# Allegro board sk_s7g2 rev3.0.brd
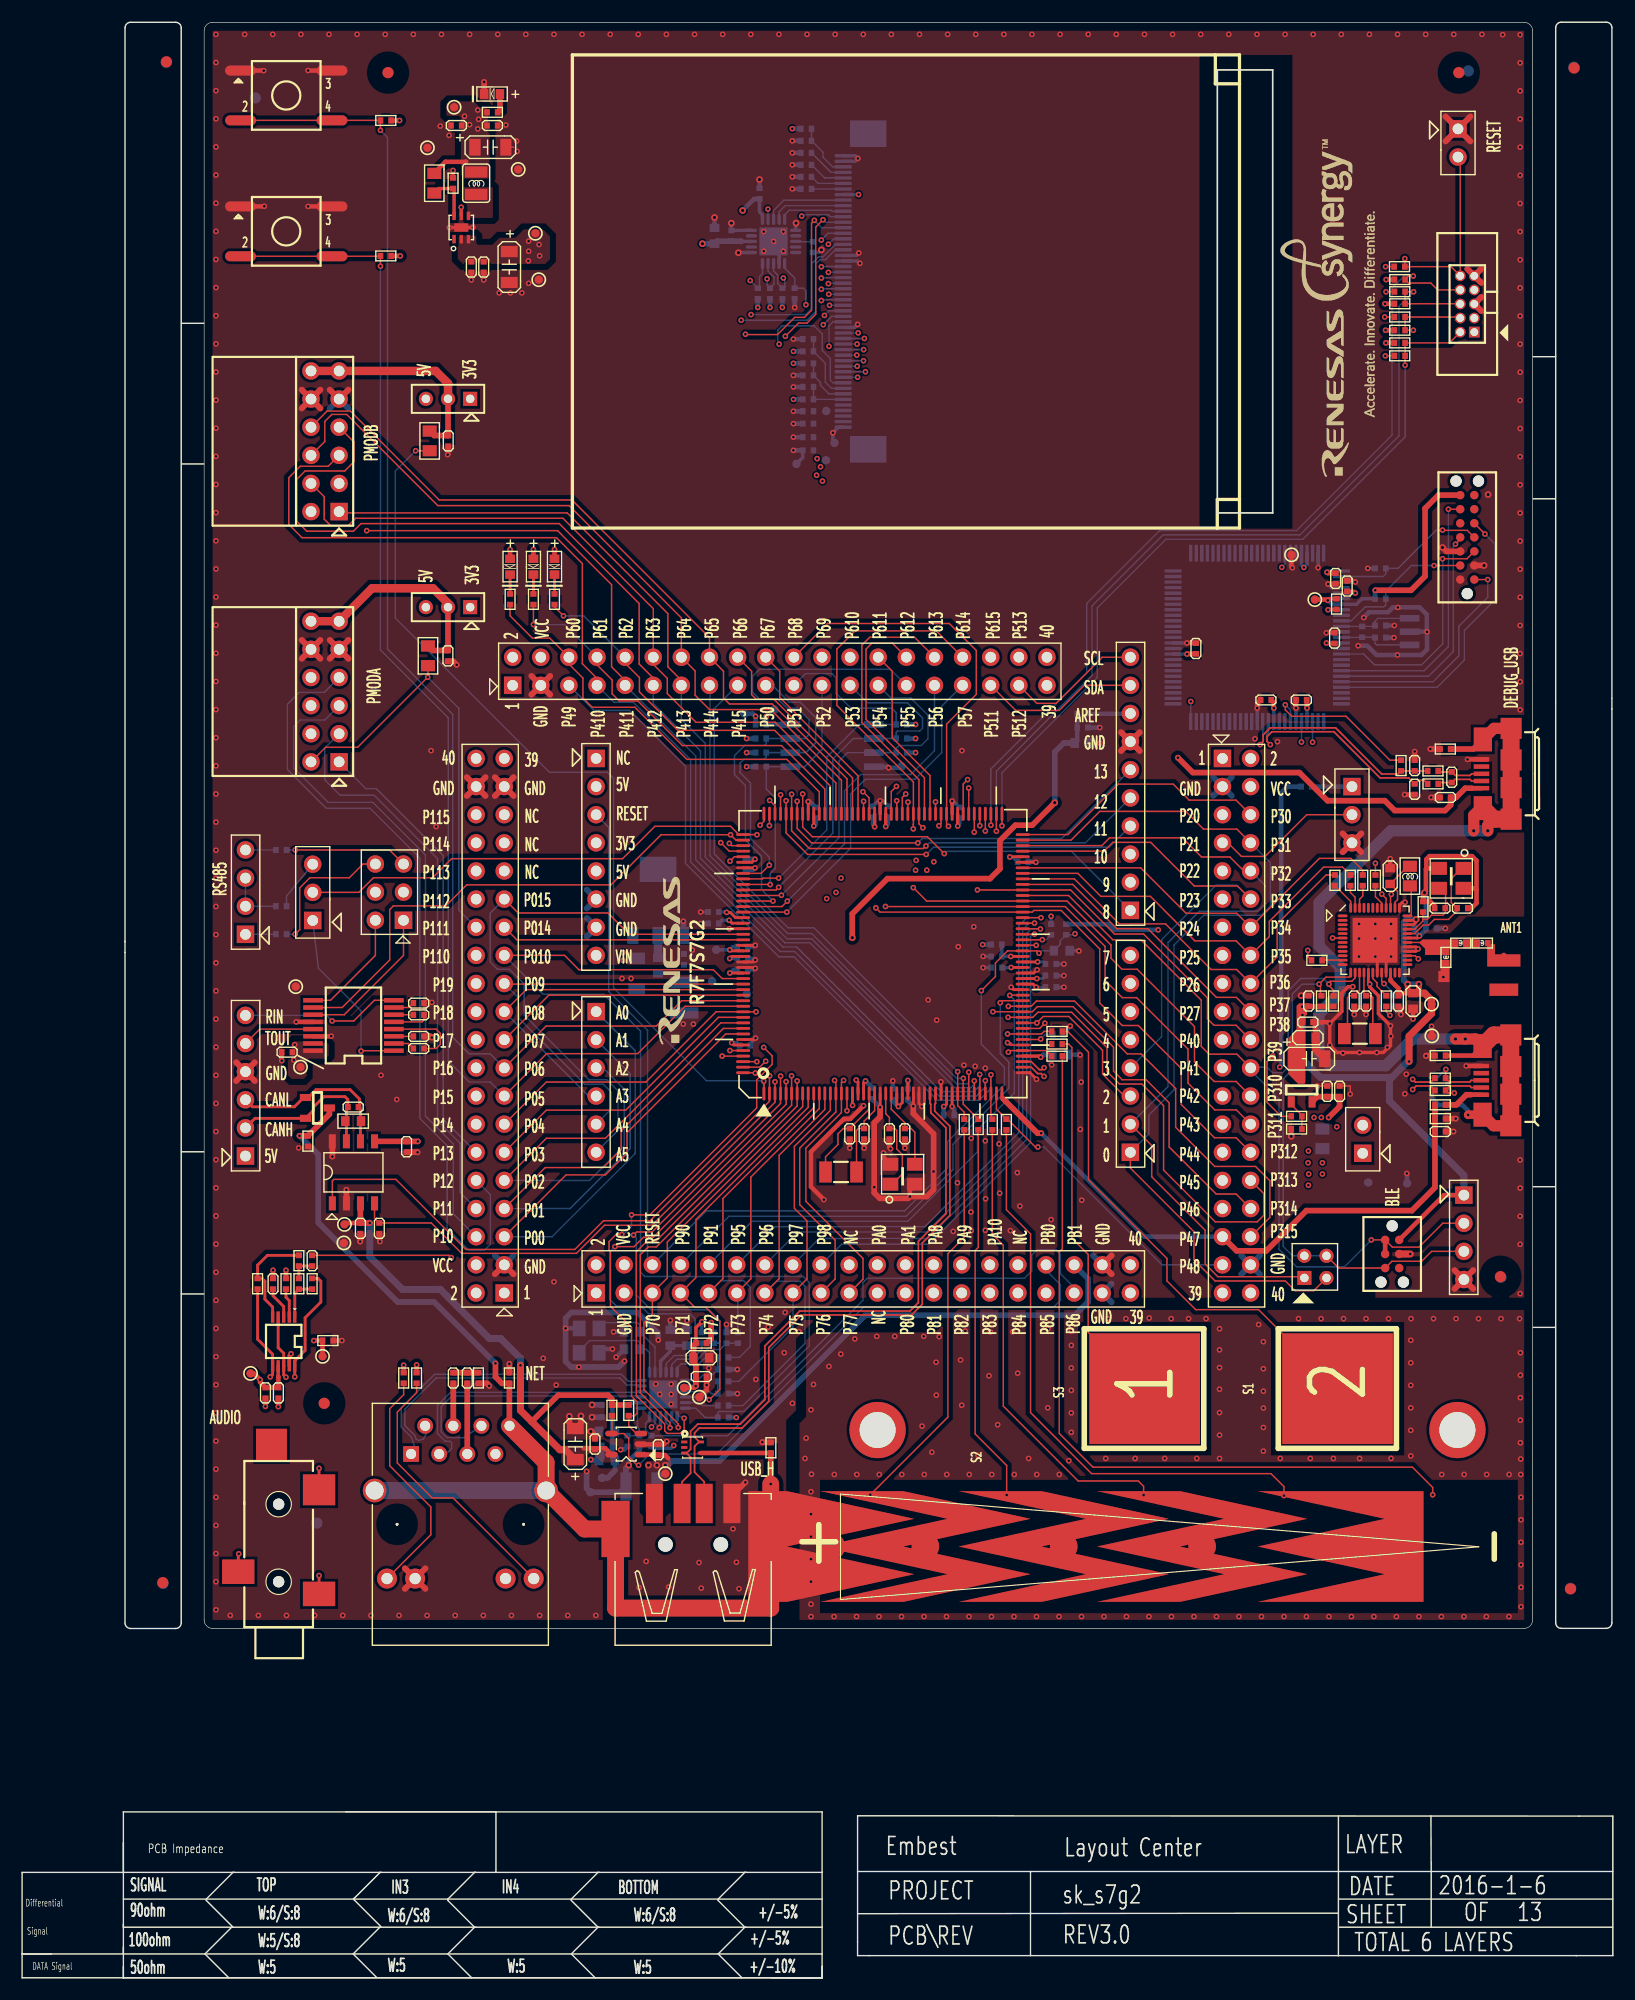
[diagram p0: board, top side]
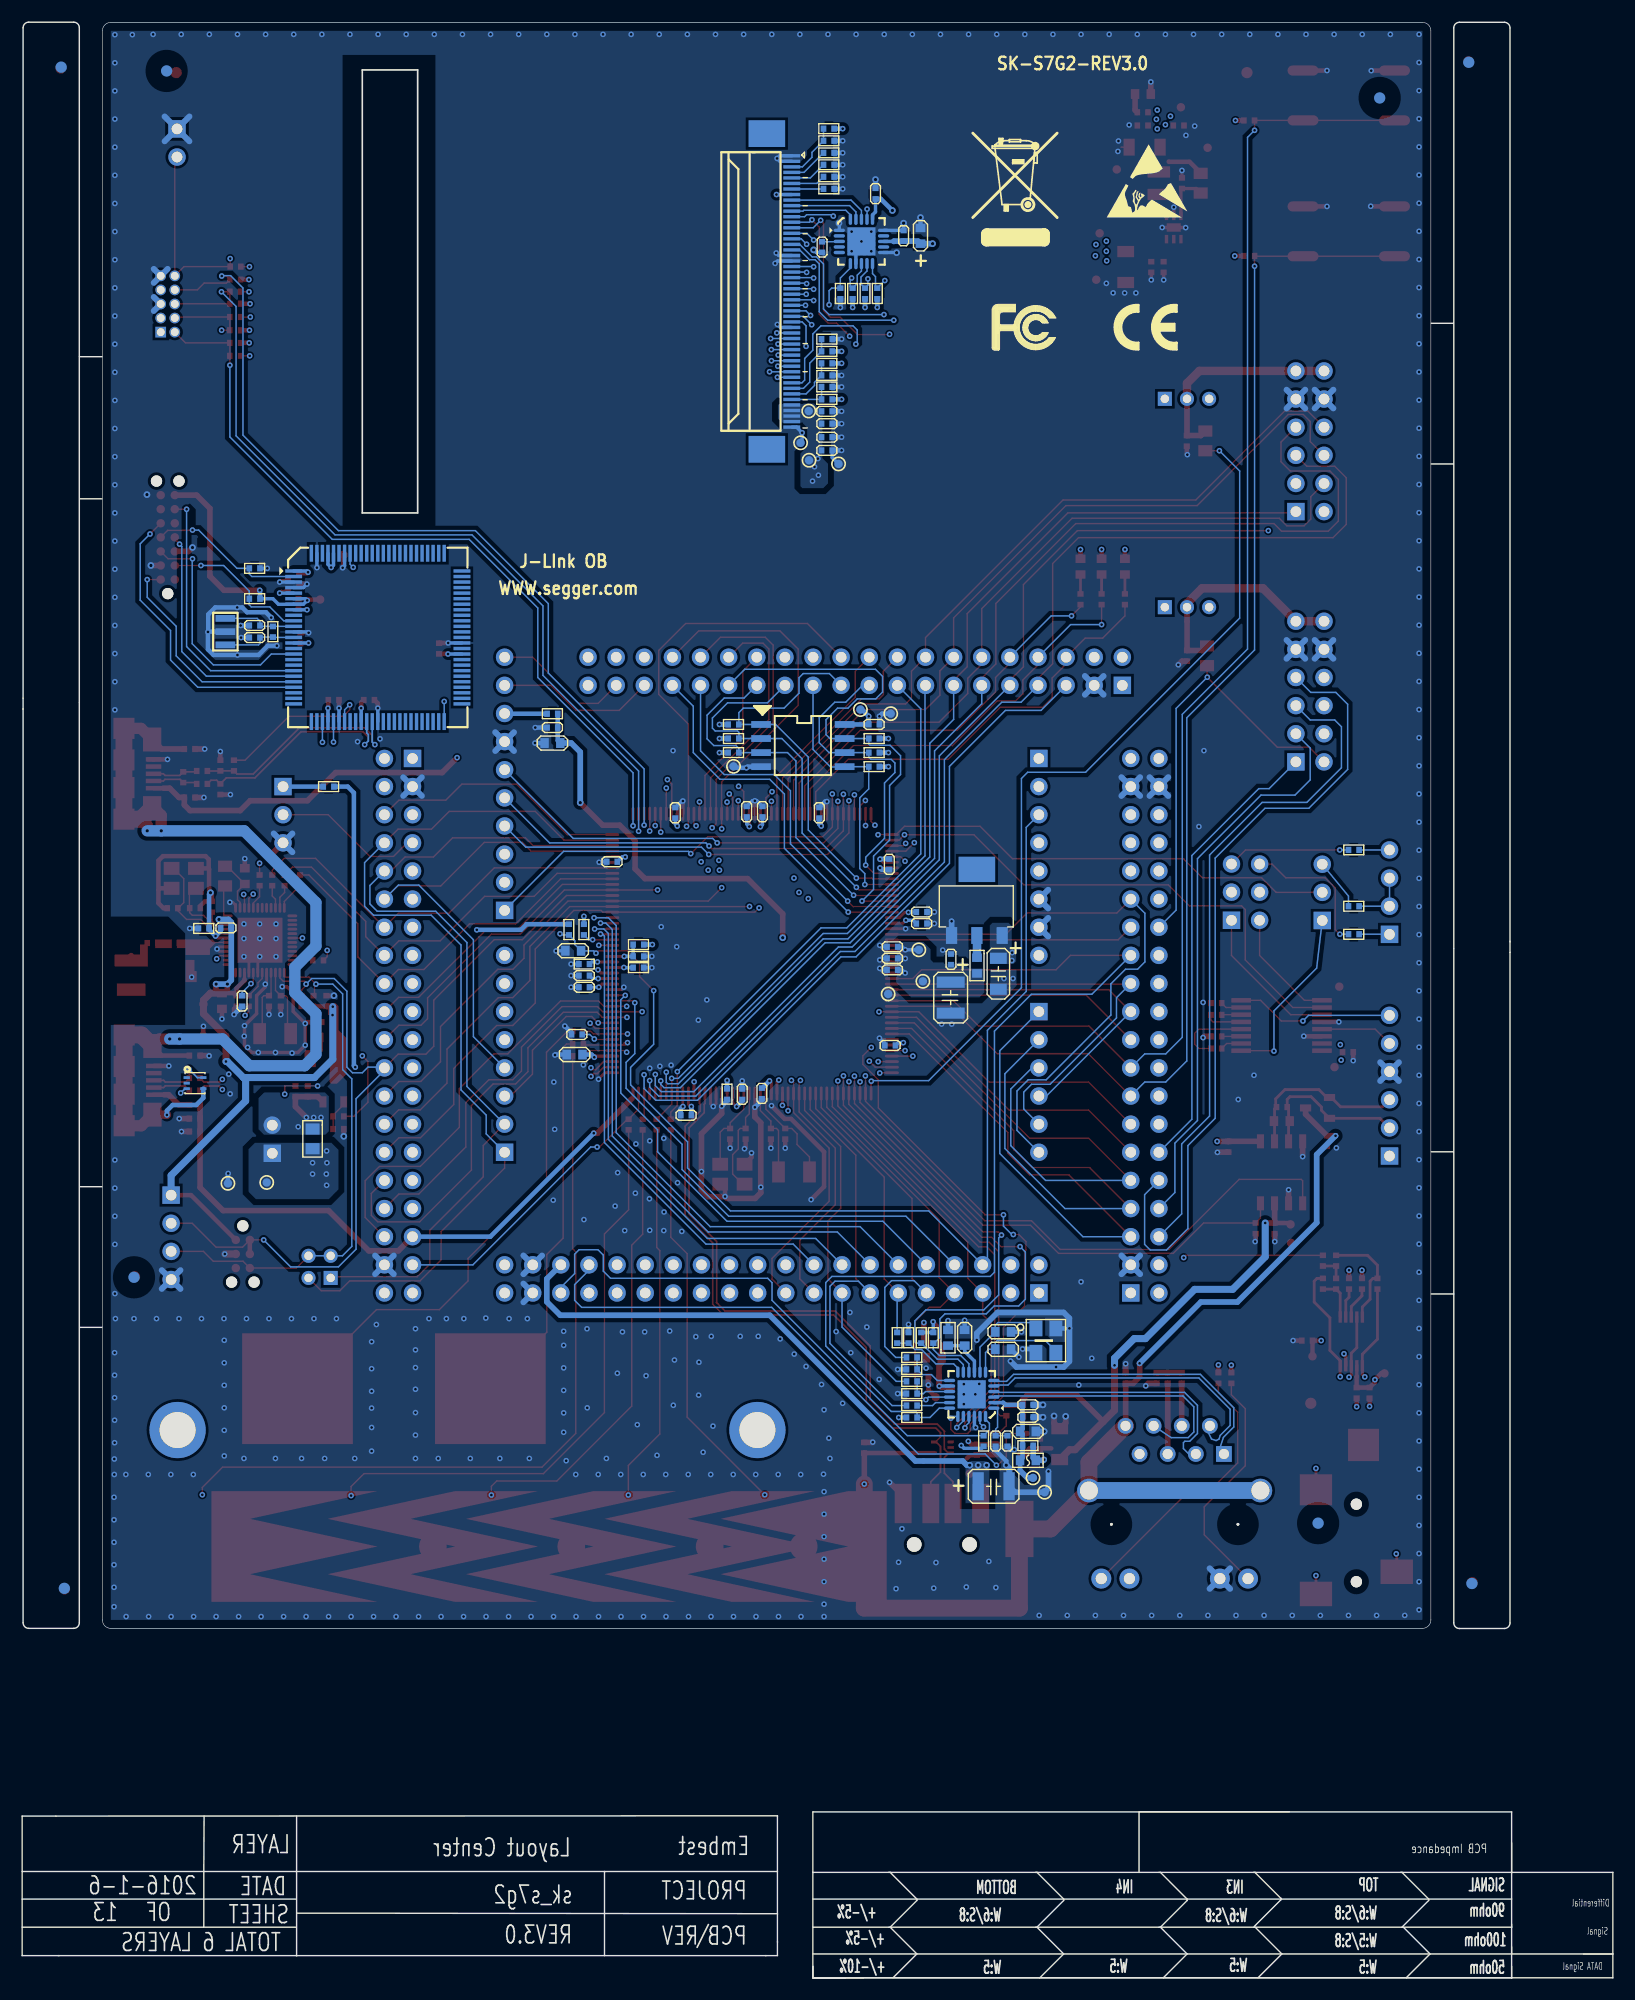
[diagram p1: board, bottom side, seen from below]

Outline 143.69 x 176.57 mm; copper layers: TOP, GND2, INT3, INT4, GND5, BOTTOM. Coordinates in mm from the lower left corner of the outline.
Outline path: 9.14,9.53 0,9.53 0,2.16 ; 9.14,9.53 9.14,12.19 ; 9.14,9.53 42.8,9.53 ; 0,2.16 2.67,2.16 ; 0,2.16 0,0 9.14,0 ; 0,2.16 9.14,2.16 ; 42.8,9.53 42.8,14.99 29.21,14.99 ; 42.8,9.53 72.26,9.53 ; 9.14,7.11 72.26,7.11 ; 9.14,4.83 9.14,4.57 72.26,4.57 ; 9.14,2.79 9.14,2.16 ; 9.14,2.16 72.26,2.16 ; 9.14,1.02 9.14,0 ; 9.14,0 9.14,14.99 72.26,14.99 72.26,0 ; 9.14,0 72.26,0 ; 9.14,0 72.26,0 ; 72.26,0 67.69,0 ; 72.26,0 72.26,1.02 72.26,0 ; 72.26,0 69.34,0 71.37,0 ; 9.29,93.52 9.29,176.05 arc(9.44,176.41) 9.8,176.56 13.86,176.56 arc(14.22,176.41) 14.37,176.05 14.37,92.96 ; 9.29,93.6 9.29,32.05 arc(9.44,31.69) 9.8,31.54 13.86,31.54 arc(14.22,31.69) 14.37,32.05 14.37,92.94 ; 14.37,61.75 16.4,61.75 ; 14.39,149.39 16.4,149.39 ; 14.39,136.69 16.4,136.69 ; 14.39,74.58 16.4,74.58 ; 18.67,0 16.51,2.16 18.92,4.57 19.05,4.57 16.64,6.98 16.64,7.11 19.05,9.53 19.18,9.53 ; 32.05,0 29.9,2.16 32.31,4.57 32.44,4.57 ; 29.97,7.19 29.97,7.06 32.38,4.65 ; 29.92,7.11 32.33,9.53 32.46,9.53 ; 40.87,4.57 38.46,6.98 38.46,7.11 40.87,9.53 41,9.53 ; 40.87,4.57 38.46,2.16 40.61,0 ; 40.87,4.57 41,4.57 ; 52.02,4.57 49.61,6.98 49.61,7.11 52.02,9.53 52.15,9.53 ; 52.02,4.57 49.61,2.16 51.77,0 ; 52.02,4.57 52.15,4.57 ; 65.28,4.57 62.87,6.98 62.87,7.11 65.28,9.53 65.41,9.53 ; 65.28,4.57 62.87,2.16 65.02,0 ; 65.28,4.57 65.41,4.57 ; 75.46,9.6 143.69,9.6 ; 75.46,5.79 118.85,5.84 ; 76.53,2.01 75.46,2.01 75.46,3.25 75.46,14.63 140.64,14.61 143.69,14.61 143.69,2.01 140.36,2.01 ; 91.08,9.6 91.08,2.01 ; 118.9,14.61 118.9,1.98 ; 118.92,7.11 143.69,7.11 ; 118.92,4.57 143.69,4.57 ; 127.25,14.63 127.28,9.6 127.28,4.6 ; 138.51,133.53 136.5,133.53 ; 138.51,71.43 136.5,71.43 ; 138.51,58.73 136.5,58.73 ; 138.52,146.37 136.49,146.37 ; 138.52,115.18 138.52,176.07 arc(138.67,176.42) 139.03,176.57 143.1,176.57 arc(143.45,176.42) 143.6,176.07 143.6,114.52 ; 138.52,115.15 138.52,32.06 arc(138.67,31.7) 139.03,31.55 143.1,31.55 arc(143.45,31.7) 143.6,32.06 143.6,114.59 ; 140.41,2.01 76.5,2.01 ; 16.44,175.79 16.44,32.32 arc(16.66,31.78) 17.2,31.55 135.68,31.55 arc(136.22,31.78) 136.44,32.32 136.44,175.79 arc(136.22,176.33) 135.68,176.55 17.2,176.55 arc(16.66,176.33) 16.44,175.79 ; 107.96,172.26 107.96,132.26 112.96,132.26 112.96,172.26 107.96,172.26

## Design rules (mm)
net group DIFFPAIR0: nets TXM TXP
net group DIFFPAIR1: nets RXM RXP
net group DIFFPAIR3: nets USBHS_N USBHS_P
net group DIFFPAIR4: nets N251288 N251332
net group DIFFPAIR5: nets USBF_N USBF_P
net group DIFFPAIR6: nets N268406 N268410
net group DIFFPAIR7: nets N268414 N268418

## Placement (name value [footprint] x y rotation side)
ANT1  ant2_rjc-11k09  [ANT2_RJC-11K09]  133.84 90.76 270 top
C1  c0402  [C0402]  76.82 105.29 270 bottom
C2  c0603  [C0603]  93.78 83.36 0 bottom
C3  c0402  [C0402]  78.24 105.29 90 bottom
C4  c0402  [C0402]  71.68 105.19 90 bottom
C5  c0402  [C0402]  62.44 95.19 180 bottom
C6  c0402  [C0402]  83.71 77.88 0 bottom
C7  c0402  [C0402]  90.4 100.77 0 bottom
C8  c0402  [C0402]  65.28 84.18 0 bottom
C9  c0402  [C0402]  65.36 100.54 270 bottom
C10  c0402  [C0402]  84.69 105.19 90 bottom
C11  c0402  [C0402]  78.64 79.78 90 bottom
C12  c0402  [C0402]  92.92 89.44 0 bottom
C13  c0402  [C0402]  62.44 96.23 0 bottom
C14  c0402  [C0402]  65.08 92.05 0 bottom
C15  c0402  [C0402]  65.08 93.09 0 bottom
C16  c0402  [C0402]  65.08 91.01 0 bottom
C17  c0402  [C0402]  92.92 90.49 0 bottom
C18  c0603  [C0603]  93.91 92.73 0 bottom
C19  c0402  [C0402]  78.34 76.21 270 top
C20  c0402  [C0402]  79.74 76.21 270 top
C21  c0402  [C0402]  76.87 79.85 270 bottom
C22  c0402  [C0402]  74.76 76.21 270 top
C23  c0402  [C0402]  76.05 76.21 270 top
C24  c0402  [C0402]  116.21 88.2 270 top
C25  c0603  [C0603]  123.58 99.47 90 top
C26  c0402  [C0402]  120.33 88.2 270 top
C27  c0402  [C0402]  121.39 88.2 270 top
C28  c0402  [C0402]  125.28 94.8 0 bottom
C29  c0402  [C0402]  123.82 88.2 270 bottom
C30  c0402  [C0402]  124.32 88.2 270 top
C31  c0603  [C0603]  125.64 88.2 270 top
C32  c0402  [C0402]  130.1 96.58 0 top
C33  c0402  [C0402]  128.07 96.58 180 top
C34  c0402  [C0402]  71 141.44 180 bottom
C35  c0402  [C0402]  71 140.32 180 bottom
C36  c0402  [C0402]  71 139.1 180 bottom
C37  c0402  [C0402]  71 137.91 180 bottom
C38  c0402  [C0402]  66.6 161.09 90 bottom
C39  c0402  [C0402]  71.43 156.27 270 bottom
C40  c0402  [C0402]  128.1 76.41 0 top
C43  c0402  [C0402]  66.73 113.17 180 bottom
C44  c0402  [C0402]  23.93 83.58 0 top
C45  c0402  [C0402]  35.82 83.91 0 top
C46  c0402  [C0402]  35.82 85 0 top
C47  c0402  [C0402]  35.82 86.95 180 top
C48  c0402  [C0402]  35.82 88.01 0 top
C49  c0402  [C0402]  34.73 75.04 270 top
C50  c0402  [C0402]  30.55 67.67 270 top
C51  c0603  [C0603]  52.84 49.34 180 bottom
C52  c0402  [C0402]  52.84 51.74 180 bottom
C53  c0402  [C0402]  52.84 50.62 180 bottom
C54  c0402  [C0402]  54.69 48.47 270 bottom
C55  c0402  [C0402]  55.75 48.47 270 bottom
C56  c0402  [C0402]  61.35 54.29 0 top
C57  c0603  [C0603]  61.35 55.99 0 top
C58  c0402  [C0402]  38.95 54.16 270 top
C59  c0603  [C0603]  58.55 57.79 90 bottom
C60  c0402  [C0402]  40.21 54.16 90 top
C61  c0603  [C0603]  55.07 58.33 180 bottom
C62  c0603  [C0603]  55.07 56.75 180 bottom
C63  c0402  [C0402]  93.58 85.17 0 bottom
C64  c0402  [C0402]  38.46 119.36 270 top
C65  c0402  [C0402]  38.49 138.77 270 top
C66  c0402  [C0402]  23.15 52.81 270 top
C67  c0402  [C0402]  21.98 52.81 270 top
C68  c0402  [C0402]  26.19 64.75 270 top
C69  c0402  [C0402]  22.66 62.67 270 top
C70  c0402  [C0402]  106.03 120.02 90 top
C71  c0402  [C0402]  118.65 126.35 270 top
C72  c0402  [C0402]  118.55 120.96 90 top
C73  c0402  [C0402]  112.35 115.37 180 top
C74  c0402  [C0402]  115.55 115.37 180 top
C75  c0402  [C0402]  129.13 108.4 90 top
C76  c0402  [C0402]  125.79 107.32 270 top
C77  c0402  [C0402]  125.79 109.46 90 top
C78  c0402  [C0402]  119.69 125.66 90 top
C79  c0402  [C0402]  128.56 106.57 180 top
C80  c0402  [C0402]  122.69 121.01 0 bottom
C81  c0402  [C0402]  122.69 122.1 0 bottom
C82  c0402  [C0402]  40.57 154.46 270 top
C83  c1206  [C1206]  44 154.46 270 top
C84  c0402  [C0402]  41.69 154.46 270 top
C86  c1206  [C1206]  42.3 165.28 0 top
C88  c0402  [C0402]  42.47 167.24 0 top
C89  c1210  [C1210]  59.82 88.5 270 bottom
C90  c1206  [C1206]  55.51 90.66 270 bottom
C91  c0402  [C0402]  59.79 91.95 90 bottom
C94  c0603  [C0603]  95.79 111.49 0 bottom
C95  c0402  [C0402]  95.79 112.88 0 bottom
C96  c0402  [C0402]  39.22 167.24 180 top
C99  c0402  [C0402]  32.26 67.67 270 top
C100  c0402  [C0402]  29.9 78.62 0 top
C101  c1206  [C1206]  49.97 48.19 90 top
C102  c0402  [C0402]  51.75 48.19 90 top
C103  c0402  [C0402]  57.46 47.68 90 top
C104  c1210  [C1210]  55.94 44.38 180 bottom
C105  c0402  [C0402]  116.13 86.29 0 top
C106  c0603  [C0603]  116.13 84.89 0 top
C107  c1206  [C1206]  116.26 82.99 0 top
C108  c0402  [C0402]  64.06 157.28 90 bottom
C109  c0603  [C0603]  62.54 157.28 90 bottom
C110  c0402  [C0402]  119 80.04 90 top
C111  c0402  [C0402]  117.89 80.04 90 top
D1  sot23_123  [SOT23_123]  26.68 78.54 270 top
FB2  f0603  [F0603]  52.84 46.72 0 bottom
J1  h3m  [H3M]  120.12 105.02 270 top
J2  h2m  [H2M]  129.7 165.67 270 top
J3  -  [FPC50_2P5]  74.17 152.26 180 bottom
J5  usbmicro5_6c  [USBMICRO5_6C]  135.92 81.03 90 top
J6  usbs4_4al  [USBS4_4AL]  60.61 39.13 0 top
J7  h6m  [H6M]  20.17 80.55 90 top
J8  h3m  [H3M]  26.25 98.01 90 top
J9  h2x3mz  [H2X3MZ]  33.18 98.03 90 top
J10  h4m  [H4M]  20.17 98.03 90 top
J11  rj45_13f-64gy_p12_4  [RJ45_13F-64GY_P12_4]  39.58 40.95 180 top
J12  h2x6lmz_f  [H2X6LMZ_F]  27.36 116.14 90 top
J13  h3p20  [H3P20]  38.47 123.76 90 top
J14  h2x6lmz_f  [H2X6LMZ_F]  27.36 138.73 90 top
J15  h3p20  [H3P20]  38.47 142.56 90 top
J16  audios4-2b180x60  [AUDIOS4-2B180X60]  23.17 32.26 90 top
J17  cons2x7_3j  [CONS2X7_3J]  130.54 128.79 90 top
J18  h2x5w52jz  [H2X5W52JZ]  130.54 151.13 90 top
J19  usbmicro5_6c  [USBMICRO5_6C]  135.94 108.71 90 top
J20  h2x20mz  [H2X20MZ]  42.28 85.97 90 top
J21  h2x20mz  [H2X20MZ]  109.7 85.97 270 top
J22  h2x20mz  [H2X20MZ]  68.44 117.97 0 top
J23  h2x20mz  [H2X20MZ]  75.98 63.11 0 top
J24  h10m  [H10M]  100.11 107.81 90 top
J25  h8m  [H8M]  51.85 101.21 270 top
J26  h6m  [H6M]  51.85 80.89 270 top
J27  h8m  [H8M]  100.11 83.43 90 top
J31  h2m  [H2M]  121.09 75.72 90 top
J32  h2x2p20z  [H2X2P20Z]  118.82 64.19 0 top
J33  h4m  [H4M]  130.23 66.86 270 top
J34  cons2x3_3j_a  [CONS2X3_3J_A]  123.75 64.09 270 top
L1  l0805  [L0805]  125.35 99.47 90 top
L2  l0402  [L0402]  129.95 93.43 0 top
L3  l0402  [L0402]  131.91 93.43 0 top
L4  l0402  [L0402]  128.61 92.13 270 top
L5  l1008  [L1008]  41.01 162.03 90 top
LED1  led0603  [LED0603]  44.07 127.41 270 top
LED2  led0603  [LED0603]  46.18 127.41 270 top
LED3  led0603  [LED0603]  48.09 127.41 270 top
LED4  led0603  [LED0603]  42.45 170.09 180 top
MTG1  -  [MHC50D30]  129.65 49.46 0 top
MTG2  -  [MHC50D30]  77.27 49.46 0 top
NOREF  -  []  129.65 49.46 0 top
NOREF#2  v*  [unnamed#2]  129.77 172.02 0 top
NOREF#3  v*  [unnamed#2]  140.19 172.43 90 top
NOREF#4  -  []  70.39 31.5 0 top
NOREF#5  -  []  77.27 49.46 0 top
NOREF#6  v*  [unnamed#2]  27.29 51.87 0 top
NOREF#7  -  []  136.43 31.55 90 top
NOREF#8  v*  [unnamed#2]  133.53 63.3 0 top
NOREF#9  v*  [unnamed#2]  12.71 35.68 270 top
NOREF#10  v*  [unnamed#2]  33.05 172.02 0 top
NOREF#11  v*  [unnamed#2]  13.04 172.99 90 top
NOREF#12  v*  [unnamed#2]  139.86 35.12 270 top
NOREF#13  -  []  8.6 33.68 0 top
NOREF#14  -  []  136.43 31.55 90 top
NOREF#15  v*  [unnamed#2]  26.62 41.05 180 bottom
NOREF#16  v*  [unnamed#2]  140.16 172.51 90 bottom
NOREF#17  v*  [unnamed#2]  130.64 172.17 180 bottom
NOREF#18  v*  [unnamed#2]  12.73 35.6 270 bottom
NOREF#19  -  []  45.73 158.93 180 bottom
NOREF#20  -  []  54.01 162.13 180 bottom
NOREF#21  -  []  46.82 148.65 180 bottom
NOREF#22  v*  [unnamed#2]  21.06 169.73 180 bottom
NOREF#23  v*  [unnamed#2]  133.58 63.25 180 bottom
NOREF#24  v*  [unnamed#2]  13.02 172.95 270 bottom
NOREF#25  v*  [unnamed#2]  139.88 35.17 90 bottom
Q1  sot23_123  [SOT23_123]  115.58 80.17 0 top
R1  r0402  [R0402]  116.01 107.55 0 bottom
R2  r0402  [R0402]  92.94 94.65 270 bottom
R3  r0402  [R0402]  88.02 93.29 0 bottom
R4  r0402  [R0402]  92.92 91.53 0 bottom
R5  r0402  [R0402]  88.02 92.22 180 bottom
R6  r0402  [R0402]  88.02 91.21 180 bottom
R7  r0402  [R0402]  94.3 94.65 270 bottom
R9  r0402  [R0402]  80.02 79.79 270 bottom
R10  r0402  [R0402]  118.58 99.09 90 top
R11  r0402  [R0402]  119.98 99.09 90 top
R12  r0402  [R0402]  121.1 99.09 90 top
R13  r0402  [R0402]  122.24 99.09 90 top
R14  r0402  [R0402]  116.95 91.87 0 top
R15  r0402  [R0402]  117.36 88.2 90 top
R16  r0402  [R0402]  118.46 88.2 90 top
R17  r0402  [R0402]  123.22 88.2 90 top
R18  r0402  [R0402]  70.82 164.77 180 bottom
R19  r0402  [R0402]  71 145.77 0 bottom
R20  r0402  [R0402]  71 142.52 0 bottom
R21  r0402  [R0402]  70.82 163.69 180 bottom
R22  r0402  [R0402]  70.82 166.96 0 bottom
R23  r0402  [R0402]  71 146.85 0 bottom
R24  r0402  [R0402]  70.82 162.61 180 bottom
R25  r0402  [R0402]  70.82 161.52 180 bottom
R26  r0402  [R0402]  70.82 165.86 180 bottom
R27  r0402  [R0402]  71 147.96 180 bottom
R28  r0402  [R0402]  71 144.68 180 bottom
R29  r0402  [R0402]  71 143.64 180 bottom
R30  r0402  [R0402]  67.55 152.08 90 bottom
R31  r0402  [R0402]  66.45 152.08 90 bottom
R32  r0402  [R0402]  68.67 152.08 90 bottom
R34  r0402  [R0402]  128.1 78.82 0 top
R35  r0402  [R0402]  128.1 80.12 0 top
R36  r0402  [R0402]  128.1 81.24 0 top
R37  r0402  [R0402]  128.1 77.58 0 top
R38  r0402  [R0402]  128.1 83.27 0 top
R41  r0402  [R0402]  67.64 47.86 270 top
R42  r0402  [R0402]  25.81 75.55 270 top
R43  r0402  [R0402]  23.4 94.23 180 bottom
R44  r0402  [R0402]  23.4 96.76 180 bottom
R45  r0402  [R0402]  23.4 101.84 180 bottom
R46  r0402  [R0402]  52.84 48.05 0 bottom
R47  r0402  [R0402]  61.35 57.31 180 top
R48  r0402  [R0402]  44.01 54.16 90 top
R49  r0402  [R0402]  41.22 54.16 90 top
R50  r0603  [R0603]  60.05 57.79 90 bottom
R51  r0402  [R0402]  35.63 54.16 270 top
R52  r0402  [R0402]  34.46 54.16 270 top
R53  r0402  [R0402]  63.33 50.59 180 bottom
R54  r0402  [R0402]  56.84 48.47 90 bottom
R55  r0402  [R0402]  62.48 57.79 270 bottom
R56  r0402  [R0402]  61.38 57.79 270 bottom
R57  r0402  [R0402]  63.33 52.75 0 bottom
R58  r0402  [R0402]  63.33 54.93 0 bottom
R59  r0402  [R0402]  63.62 57.79 90 bottom
R60  r0402  [R0402]  93.48 85.45 0 top
R61  r0402  [R0402]  93.48 83.22 0 top
R62  r0402  [R0402]  88.91 77.04 270 top
R63  r0402  [R0402]  87.64 77.04 270 top
R64  r0402  [R0402]  93.48 84.31 0 top
R65  r0402  [R0402]  86.37 77.04 270 top
R66  r0402  [R0402]  85.1 77.04 270 top
R67  r0805  [R0805]  36.66 119.36 270 top
R68  r0805  [R0805]  36.81 138.77 270 top
R69  r0402  [R0402]  23.83 62.67 270 top
R70  r0402  [R0402]  21.27 62.67 270 top
R71  r0402  [R0402]  25 64.75 90 top
R72  r0402  [R0402]  25 62.67 270 top
R73  r0402  [R0402]  26.19 62.67 90 top
R74  r0402  [R0402]  27.62 57.54 0 top
R75  r0402  [R0402]  32.85 167.7 180 top
R76  r0402  [R0402]  32.85 155.47 180 top
R77  r0402  [R0402]  44.07 124.47 90 top
R78  r0402  [R0402]  46.18 124.47 90 top
R79  r0402  [R0402]  48.09 124.47 90 top
R80  r0402  [R0402]  122.69 124.52 0 bottom
R81  r0402  [R0402]  122.69 127.26 180 bottom
R82  r0402  [R0402]  124.56 109.46 270 top
R83  r0402  [R0402]  118.73 124.03 270 top
R84  r0402  [R0402]  127.44 107.8 0 top
R85  r0402  [R0402]  127.44 108.96 0 top
R86  r0402  [R0402]  128.56 110.95 0 top
R87  r0402  [R0402]  121.04 121.54 90 bottom
R90  r0402  [R0402]  42.47 168.43 0 top
R93  r0402  [R0402]  79.43 113.16 180 bottom
R94  r0402  [R0402]  66.73 110.62 0 bottom
R95  r0402  [R0402]  66.73 109.35 0 bottom
R96  r0402  [R0402]  79.43 111.89 180 bottom
R97  r0402  [R0402]  79.43 110.62 180 bottom
R98  r0402  [R0402]  66.73 111.89 0 bottom
R99  r0402  [R0402]  63.33 56.01 0 bottom
R100  r0402  [R0402]  64.65 57.79 90 bottom
R101  r0402  [R0402]  63.33 51.67 0 bottom
R102  r0402  [R0402]  63.33 53.85 0 bottom
R103  r0402  [R0402]  124.44 153.33 0 top
R104  r0402  [R0402]  124.44 151.15 0 top
R105  r0402  [R0402]  124.44 148.76 0 top
R106  r0402  [R0402]  124.44 147.62 180 top
R107  r0402  [R0402]  124.44 149.95 180 top
R108  r0402  [R0402]  124.44 146.45 180 top
R109  r0402  [R0402]  124.44 152.24 180 top
R110  r0402  [R0402]  124.41 154.5 180 top
R111  r0402  [R0402]  127.29 94.75 180 bottom
R113  r0805  [R0805]  117.46 75.75 270 bottom
R114  r0603  [R0603]  57.44 91.4 270 bottom
R115  r0402  [R0402]  95.79 114.13 0 bottom
R117  r0402  [R0402]  38.92 162.03 90 top
R118  r0805  [R0805]  37.23 162.03 270 top
R119  r0603  [R0603]  29.9 77.35 180 top
R120  r0402  [R0402]  54.79 51.24 270 top
R121  r0402  [R0402]  126.55 96.7 90 top
R122  r0402  [R0402]  53.27 51.24 270 top
R123  r0402  [R0402]  115.12 77.78 0 top
R124  r0402  [R0402]  115.12 76.64 180 top
R125  r0402  [R0402]  69.78 152.08 270 bottom
S1  ctsu_s10mm  [CTSU_S10MM]  118.82 53.19 180 top
S2  ctsu_rx113  [CTSU_RX113]  94.09 38.94 270 top
S3  ctsu_s10mm  [CTSU_S10MM]  101.39 53.19 180 top
S4  -  [SWS4B60S]  23.86 169.96 0 top
S5  -  [SWS4B60S]  23.86 157.69 0 top
TP1  tp30  [TP30]  127.31 87.92 90 top
TP2  tp30  [TP30]  127.34 85.05 90 top
TP3  tp30  [TP30]  72.64 141.46 90 bottom
TP4  tp30  [TP30]  72.61 137.02 90 bottom
TP5  tp30  [TP30]  69.94 136.69 90 bottom
TP6  tp30  [TP30]  73.37 138.59 90 bottom
TP9  tp30  [TP30]  67.97 114.51 270 bottom
TP10  tp30  [TP30]  79.43 109.38 270 bottom
TP11  tp30  [TP30]  25.14 82.23 270 top
TP12  tp30  [TP30]  24.71 89.49 270 top
TP13  tp30  [TP30]  29.06 66.35 270 top